# KiCad board hexapad.kicad_pcb
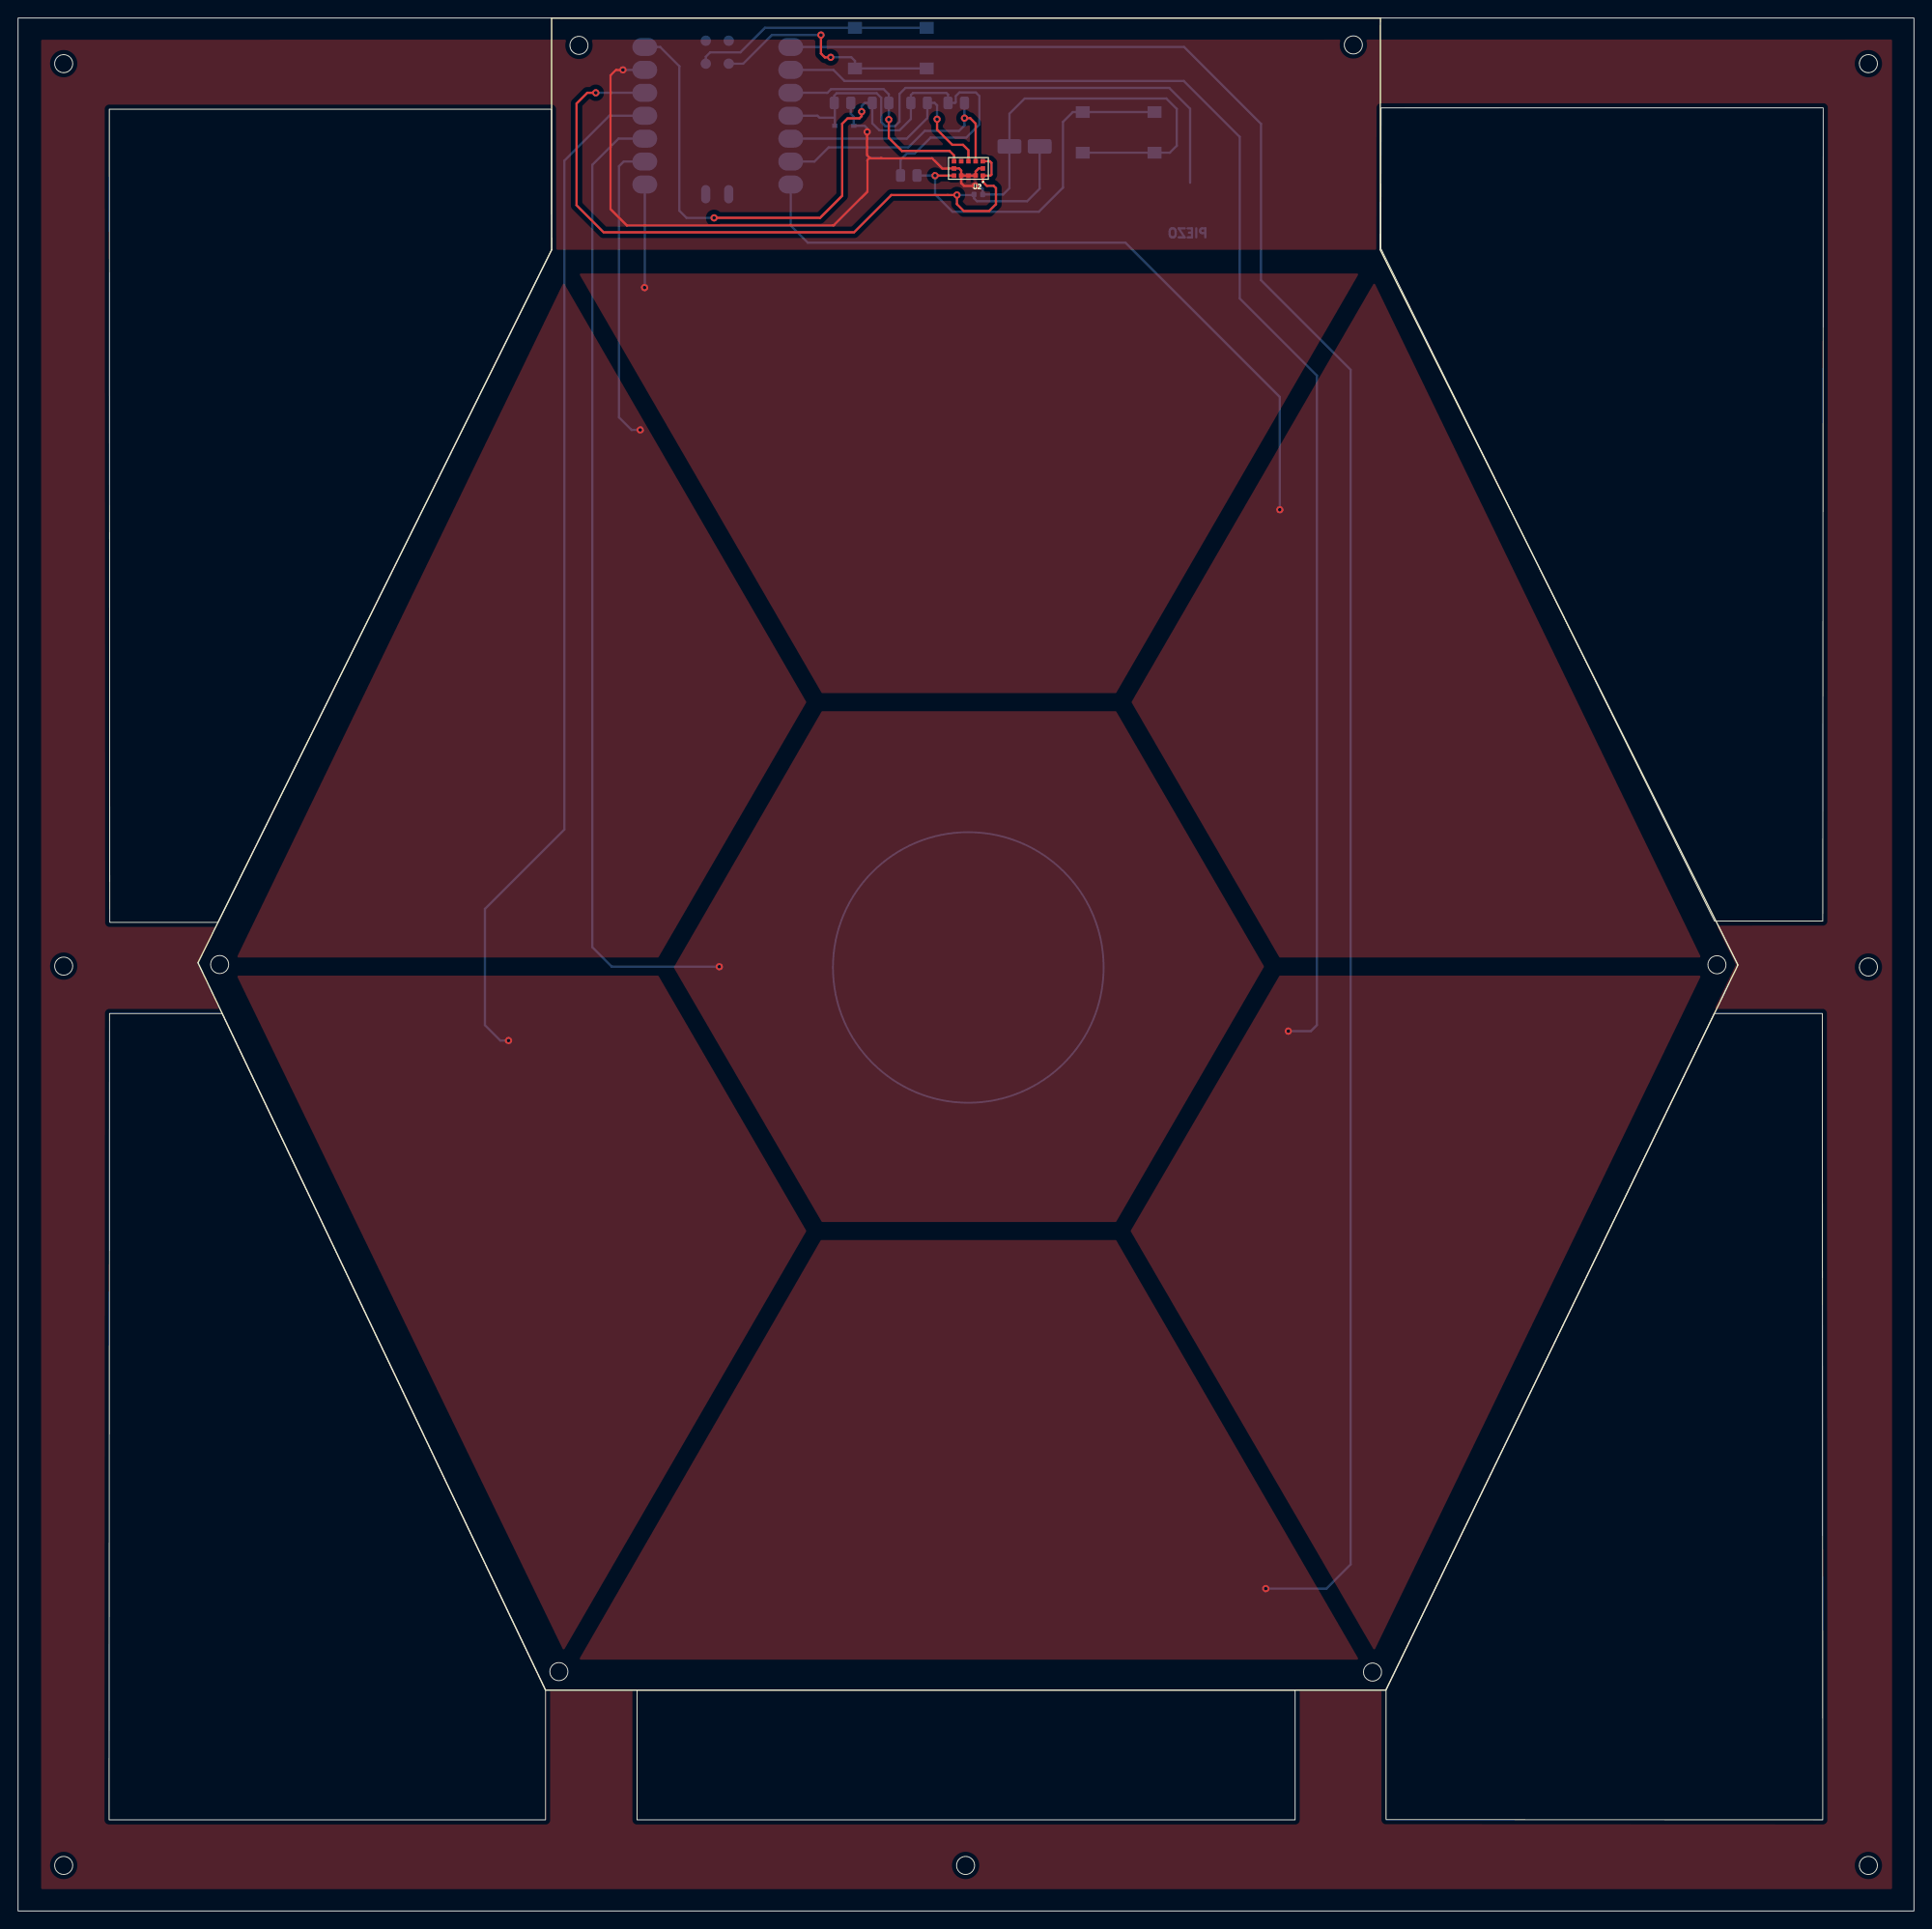
[diagram p0: board, top side]
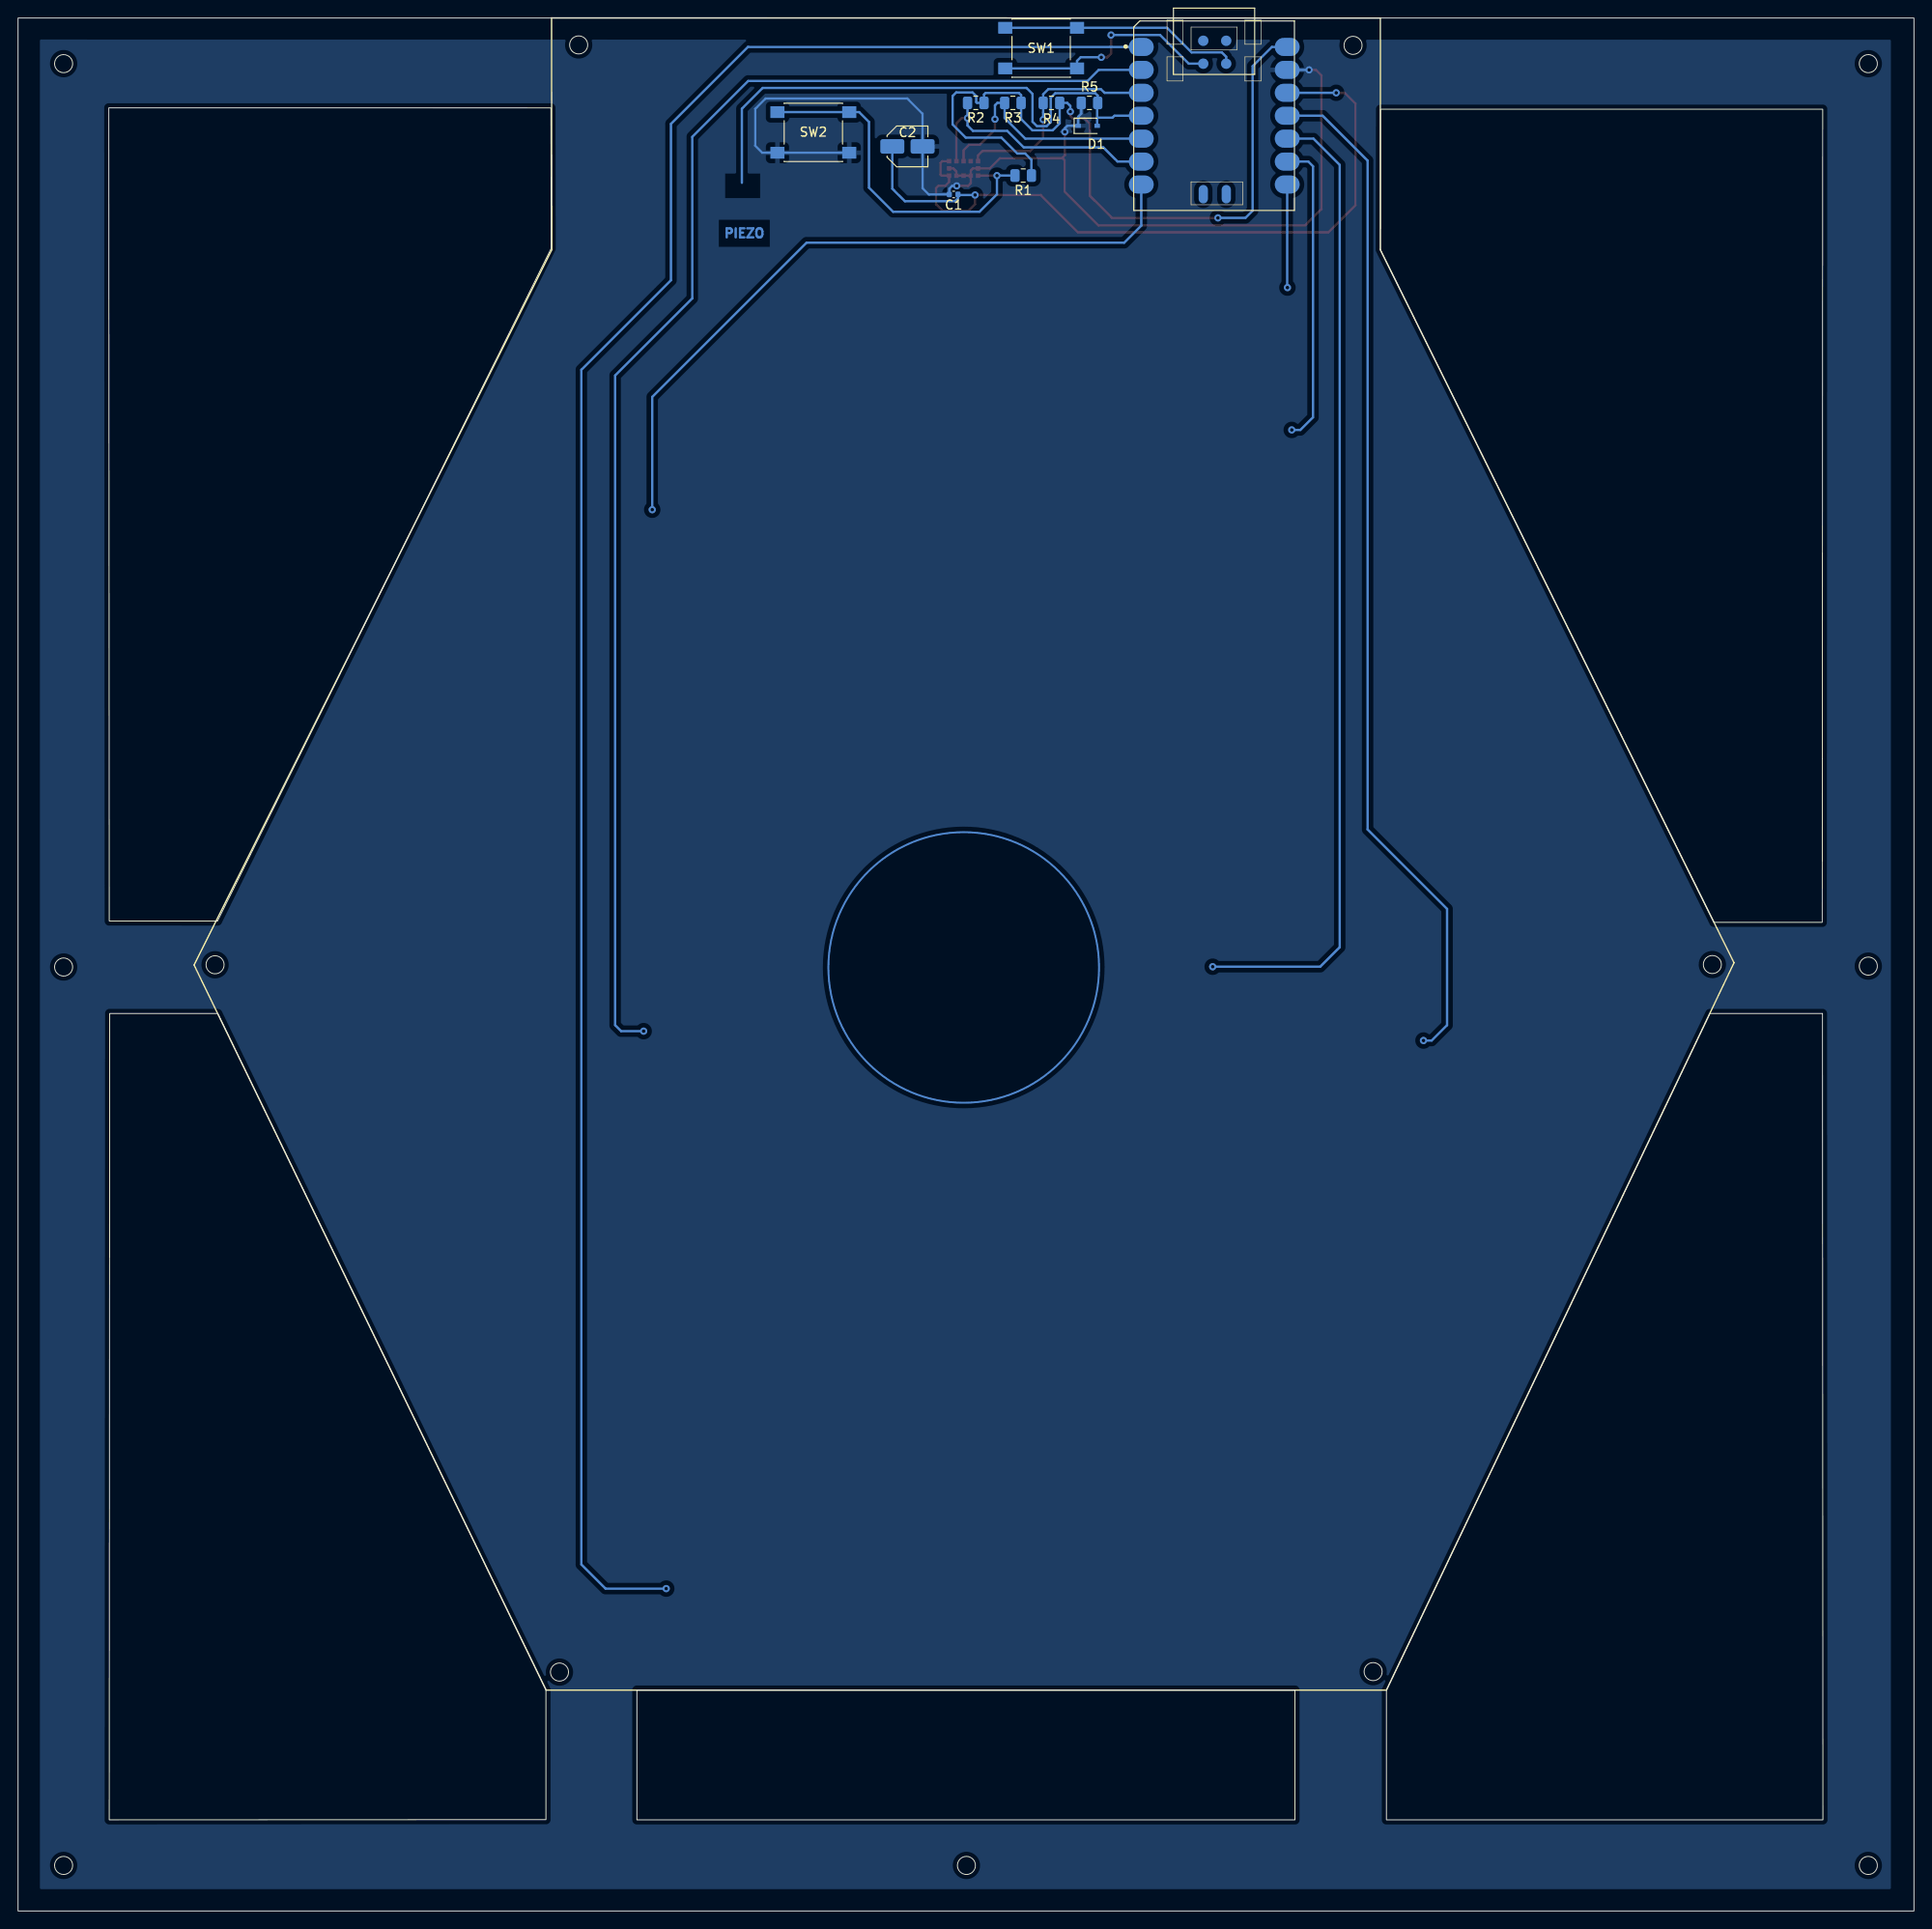
[diagram p1: board, bottom side, seen from below]

Outline 210 x 209.75 mm; copper layers: Top, Bottom. Coordinates in mm from the lower left corner of the outline.
Outline path: 58.43,24.47 58.43,10.09 10.08,10.1 10.13,99.44 22.6,99.44 closed ; 151.53,24.49 151.53,10.12 199.9,10.1 199.85,99.44 187.88,99.44 closed ; 59.08,199.64 59.1,184.07 22.15,109.54 10.16,109.55 10.11,199.64 10.11,199.64 closed ; 150.98,199.79 150.95,184.22 187.9,109.69 199.9,109.69 199.95,199.79 199.95,199.79 closed ; rectangle 0,209.75 210,0 ; circle c5.05,204.69 r1 ; circle c5.05,104.69 r1 ; circle c5.05,5.04 r1 ; circle c22.33,104.87 r1 ; circle c59.9,26.52 r1 ; circle c62.13,206.72 r1 ; rectangle 68.56,24.47 141.45,10.09 ; circle c104.95,5.04 r1 ; circle c147.9,206.77 r1 ; circle c150.03,26.47 r1 ; circle c188.18,104.84 r1 ; circle c204.95,204.69 r1 ; circle c204.95,104.59 r1 ; circle c204.95,5.04 r1

## Placement (name value [footprint] x y rotation side)
C1  100n  [C_0402_1005Metric]  106.37 190.2 0 bottom
C2  4.7u  [C_Elec_4x5.4]  111.48 195.52 180 bottom
D1  DIODE  [D_SOD-323]  91.52 197.8 180 bottom
R1  2k  [R_0805_2012Metric]  98.66 192.3 0 bottom
R2  2k  [R_0805_2012Metric]  103.92 200.34 0 bottom
R3  2k  [R_0805_2012Metric]  99.81 200.34 0 bottom
R4  2k  [R_0805_2012Metric]  95.54 200.34 0 bottom
R5  20  [R_0805_2012Metric]  91.32 200.34 0 bottom
SW1  SW_Push  [SW_Push_1P1T_NO_6x6mm_H9.5mm]  96.67 206.41 0 bottom
SW2  SW_Push  [SW_Push_1P1T_NO_6x6mm_H9.5mm]  121.91 197.07 180 bottom
U1  SeeeduinoXIAO  [Seeeduino XIAO-MOUDLE14P-2.54-21X17.8MM]  86.42 188.43 180 bottom
U2  VL53L0X  [SENSOR_VL53L0X]  105.27 193.08 180 top

## Library data of the parts
D1 = -: Spice_Netlist_Enabled: Y; Spice_Primitive: D
U2 = -: Description: STM32F401RE, VL53L0X, mbed-Enabled Development series Light, 3D Time-of-Flight (ToF) Sensor Evaluation Board; Availability: In Stock; Check_prices: https://www.snapeda.com/parts/VL53L0X/STMicroelectronics/view-part/?ref=eda; MANUFACTURER: ST Microelectronics; MF: STMicroelectronics; PART_REV: 1.0; Package: None; Price: None; STANDARD: Manufacturer Recommendation; SnapEDA_Link: https://www.snapeda.com/parts/VL53L0X/STMicroelectronics/view-part/?ref=snap

## Footprints (pads in the part's own frame, mm; a bottom-side part is the same pattern mirrored in y, then rotated)
C_0402_1005Metric
  rrect 0.56x0.62 smd: 1(-0.48,0) 2(0.48,0)
C_Elec_4x5.4
  rrect 2.65x1.6 smd: 1(-1.675,0) 2(1.675,0)
D_SOD-323
  rect 0.6x0.45 smd: 1(-1.05,0) 2(1.05,0)
R_0805_2012Metric
  rrect 1.025x1.4 smd: 1(-0.912,0) 2(0.912,0)
Seeeduino XIAO-MOUDLE14P-2.54-21X17.8MM
  oval 2.748x1.999 smd: 1(0.833,18.118) 2(0.833,15.578) 3(0.833,13.038) 4(0.833,10.498) 5(0.833,7.958) 6(0.833,5.418) 7(0.833,2.878) 8(16.998,2.878) 9(16.998,5.418) 10(16.998,7.958) 11(16.998,10.498) 12(16.998,13.038) 13(16.998,15.578) 14(16.998,18.118)
  oval 1.016x2.032 smd: 15(7.7,1.8) 16(10.25,1.8)
  round 1.143 smd: 17(7.699,18.804) 18(10.239,18.804) 19(7.699,16.264) 20(10.239,16.264)
SENSOR_VL53L0X
  rect 0.5x0.5 smd: 1(-1.6,0.8) 2(-0.8,0.8) 3(0,0.8) 4(0.8,0.8) 5(1.6,0.8) 6(1.6,0) 7(1.6,-0.8) 8(0.8,-0.8) 9(0,-0.8) 10(-0.8,-0.8) 11(-1.6,-0.8) 12(-1.6,0)
SW_Push_1P1T_NO_6x6mm_H9.5mm
  rect 1.55x1.3 smd: 1(-3.975,2.25) 1(3.975,2.25) 2(-3.975,-2.25) 2(3.975,-2.25)

## Nets
+5V: R1.1 R2.1 R3.1 R4.1 U1.14
GND: C1.2 C2.2 D1.1 R5.2 SW2.2 U1.13 U2.2 U2.3 U2.4 U2.6 U2.12
Net-(C1-Pad1): C1.1 C2.1 U1.12 U2.1 U2.11
Net-(R1-Pad2): R1.2 SW2.1 U2.5
Net-(R2-Pad2): R2.2 U1.6 U2.10
Net-(R3-Pad2): R3.2 U1.5 U2.9
Net-(R4-Pad2): R4.2 U1.3 U2.7
Net-(SW1-Pad1): SW1.1 U1.19
Net-(SW1-Pad2): SW1.2 U1.20

Pads without a net: D1 2; R5 1; U1 1 2 4 7 8 9 10 11 15 16 17 18; U2 8

## Via types
v1: diameter 0.8, hole 0.4, Top to Bottom, 20 vias

## Routing (per net, layer and track width the routed paths; a pad name or vN(x,y) marks a point on that pad's centre or on a via; arc(x,y) is an arc through that point)
+5V: length 88
  Top w0.25: v1(77.09,187.6) 88.83,187.6 91.28,190.05 91.28,198.03 91.87,198.62 93.18,198.62 93.44,198.88 v1(93.44,199.37)
  Bottom w0.25: v1(77.09,187.6) 74.04,187.6 73.25,188.4 73.25,204.41 71.12,206.54 U1.14 ; R1.1 97.75,194.04 98.44,194.73 99.31,194.73 101.07,196.49 105.02,196.49 106.48,197.95 106.48,201.1 106.08,201.5 104.27,201.5 103.86,201.09 103.86,200.42 103.78,200.34 R2.1 103.01,201.27 102.84,201.44 99.13,201.44 98.9,201.21 R3.1 98.9,198.56 97.64,197.3 95.4,197.3 94.62,198.08 R4.1 93.78,200.34 93.44,200 v1(93.44,199.37)
GND: length 126.8
  Top w0.25: 95.63,194.2 94.28,194.2 94.08,194 94.08,190.51 90.34,186.77 67.43,186.77 65.63,188.58 65.63,203.4 66.24,204 v1(67,204) ; 95.63,194.2 101.25,194.2 102.37,193.08 U2.6 104.23,193.08 104.47,192.85 U2.4 ; 95.63,194.2 94.38,194.2 94.05,194.53 v1(94.05,197.13) ; U2.4 104.47,191.45 104.76,191.15 v1(106.03,191.15) ; U2.4 U2.3 U2.2 106.07,192.75 106.4,193.08 U2.12
  Bottom w0.25: SW2.2 SW2.2 127.57,194.82 128.34,195.59 128.34,199.68 127.19,200.83 111.5,200.83 109.81,199.14 109.81,195.53 C2.2 109.81,190.89 109.12,190.2 C1.2 106.85,190.84 106.54,191.15 v1(106.03,191.15) ; v1(94.05,197.13) 94.05,197.52 93.77,197.8 D1.1 92.57,198.8 92.23,199.14 R5.2 ; U1.13 v1(67,204)
Net-(C1-Pad1): length 92.9
  Top w0.25: v1(63.99,201.46) 63.05,201.46 61.86,200.27 61.86,189 64.86,186 92.59,186 96.73,190.14 v1(104,190.14) 104,189.12 104.76,188.36 107.55,188.36 108.32,189.12 108.32,190.9 108.06,191.15 107.3,191.15 106.87,191.59 U2.1 107.7,192.28 107.82,192.4 107.82,193.7 107.63,193.88 U2.11
  Bottom w0.25: C2.1 113.16,190.84 111.77,189.45 106.22,189.45 105.89,189.78 C1.1 105.83,190.14 v1(104,190.14) ; v1(63.99,201.46) U1.12
Net-(R1-Pad2): length 40.1
  Top w0.25: v1(101.57,192.28) U2.5
  Bottom w0.25: R1.2 101.56,192.3 v1(101.57,192.28) 101.57,190.22 103.5,188.28 113.07,188.28 115.74,190.95 115.74,198.23 116.83,199.32 SW2.1 SW2.1
Net-(R2-Pad2): length 29.1
  Top w0.25: U2.10 106.07,198.05 105.46,198.66 v1(104.83,198.66)
  Bottom w0.25: U1.6 88.21,193.84 89.78,195.41 98.6,195.41 100.43,197.24 104.23,197.24 104.83,197.84 v1(104.83,198.66) R2.2
Net-(R3-Pad2): length 27.3
  Top w0.25: U2.9 105.27,195.1 104.66,195.7 103.47,195.7 101.79,197.38 v1(101.79,198.53)
  Bottom w0.25: U1.5 98.43,196.38 100.72,198.67 R3.2 101.52,200.34 101.79,200.07 v1(101.79,198.53)
Net-(R4-Pad2): length 24.8
  Top w0.25: v1(96.45,198.49) 96.45,196.47 97.9,195.02 103.18,195.02 103.67,194.53 U2.7
  Bottom w0.25: U1.3 89.65,201.46 90.05,201.86 95.88,201.86 96.45,201.3 R4.2 96.45,199.28 96.45,199.28 v1(96.45,198.49)
Net-(SW1-Pad1): length 26.5
  Top w0.25: v1(88.93,207.86) 88.93,205.81 89.35,205.39 v1(90.01,205.39) 90.02,205.39
  Bottom w0.25: SW1.1 SW1.1 92.7,205 92.29,205.4 90.02,205.4 v1(90.01,205.39) ; U1.19 80.32,204.69 83.5,207.87 88.93,207.87 v1(88.93,207.86)
Net-(SW1-Pad2): length 26.6
  Bottom w0.25: SW1.2 SW1.2 82.73,208.66 80.01,205.94 76.66,205.94 76.18,205.46 U1.20
unconnected-(D1-Pad2): length 63.6
  Bottom w0.25: U1.4 88.55,198.92 88.77,198.7 90.4,198.7 ; D1.2 90.47,200.28 R5.1 90.41,201.15 90.67,201.41 95.11,201.41 95.61,200.92 95.61,198.22 96.06,197.77 97.15,197.77 97.63,198.25 97.63,201.34 98.29,202 127.51,202 129.82,199.69 129.82,191.49
unconnected-(U1-Pad1): length 229.9
  Bottom w0.25: U1.1 129.15,206.54 137.68,198.02 137.68,180.69 147.6,170.77 147.6,38.39 144.93,35.72 v1(138.21,35.72)
unconnected-(U1-Pad2): length 158.2
  Bottom w0.25: v1(140.71,97.49) 143.2,97.49 143.86,98.15 143.86,170.13 135.32,178.68 135.32,196.58 129.12,202.77 91.53,202.77 90.3,204 U1.2
unconnected-(U1-Pad7): length 79.1
  Bottom w0.25: v1(139.76,155.27) 139.76,167.76 122.66,184.85 87.47,184.85 85.59,186.74 U1.7
unconnected-(U1-Pad8): length 11.4
  Bottom w0.25: v1(69.4,179.88) 69.42,179.9 U1.8
unconnected-(U1-Pad9): length 33.8
  Bottom w0.25: U1.9 67.08,193.84 66.56,193.32 66.56,165.5 67.96,164.11 v1(68.92,164.11)
unconnected-(U1-Pad10): length 108.7
  Bottom w0.25: U1.10 66.51,196.38 63.6,193.47 63.6,106.79 65.77,104.63 v1(77.68,104.63)
unconnected-(U1-Pad11): length 113.7
  Bottom w0.25: v1(54.33,96.45) 53.42,96.45 51.71,98.15 51.71,111.03 60.51,119.83 60.51,193.94 65.49,198.92 U1.11

## Copper pours and planes (outline as drawn; the poured copper is in the pictures)
GND on Top: 207.58,2.42 2.55,2.42 2.55,207.34 207.58,207.37 ; 1 cut-out
GND on Bottom: 207.58,2.42 2.55,2.42 2.55,207.34 207.58,207.37 ; 1 cut-out
unconnected-(U1-Pad1) on Top: 148.52,27.84 62.12,27.84 88.92,74.34 121.62,74.34
unconnected-(U1-Pad2) on Top: 150.22,28.84 123.22,75.34 139.72,103.64 186.42,103.64
unconnected-(U1-Pad7) on Top: 186.42,105.64 139.72,105.64 123.32,133.94 150.22,180.44
unconnected-(U1-Pad8) on Top: 121.62,134.94 89.02,134.94 62.12,181.44 148.52,181.44
unconnected-(U1-Pad9) on Top: 87.32,133.94 70.92,105.64 24.22,105.64 60.42,180.44
unconnected-(U1-Pad10) on Top: 138.02,104.64 121.62,76.34 89.02,76.34 72.62,104.54 89.02,132.94 121.62,132.94
unconnected-(U1-Pad11) on Top: 87.32,75.34 60.42,28.84 24.22,103.64 70.92,103.64

## Text on the board
Bottom: PIEZO
